# Altium PCB main_board.PcbDoc (part 2 of 2)
Units mm, origin at the board's own origin, x right, y up, seen from the top; angles counter-clockwise.
Board outline 102 x 125 mm, 2 copper layers (Top Layer, Bottom Layer), stack 1.58 mm thick; 105 components, 116 nets, 584 pads, 449 vias.
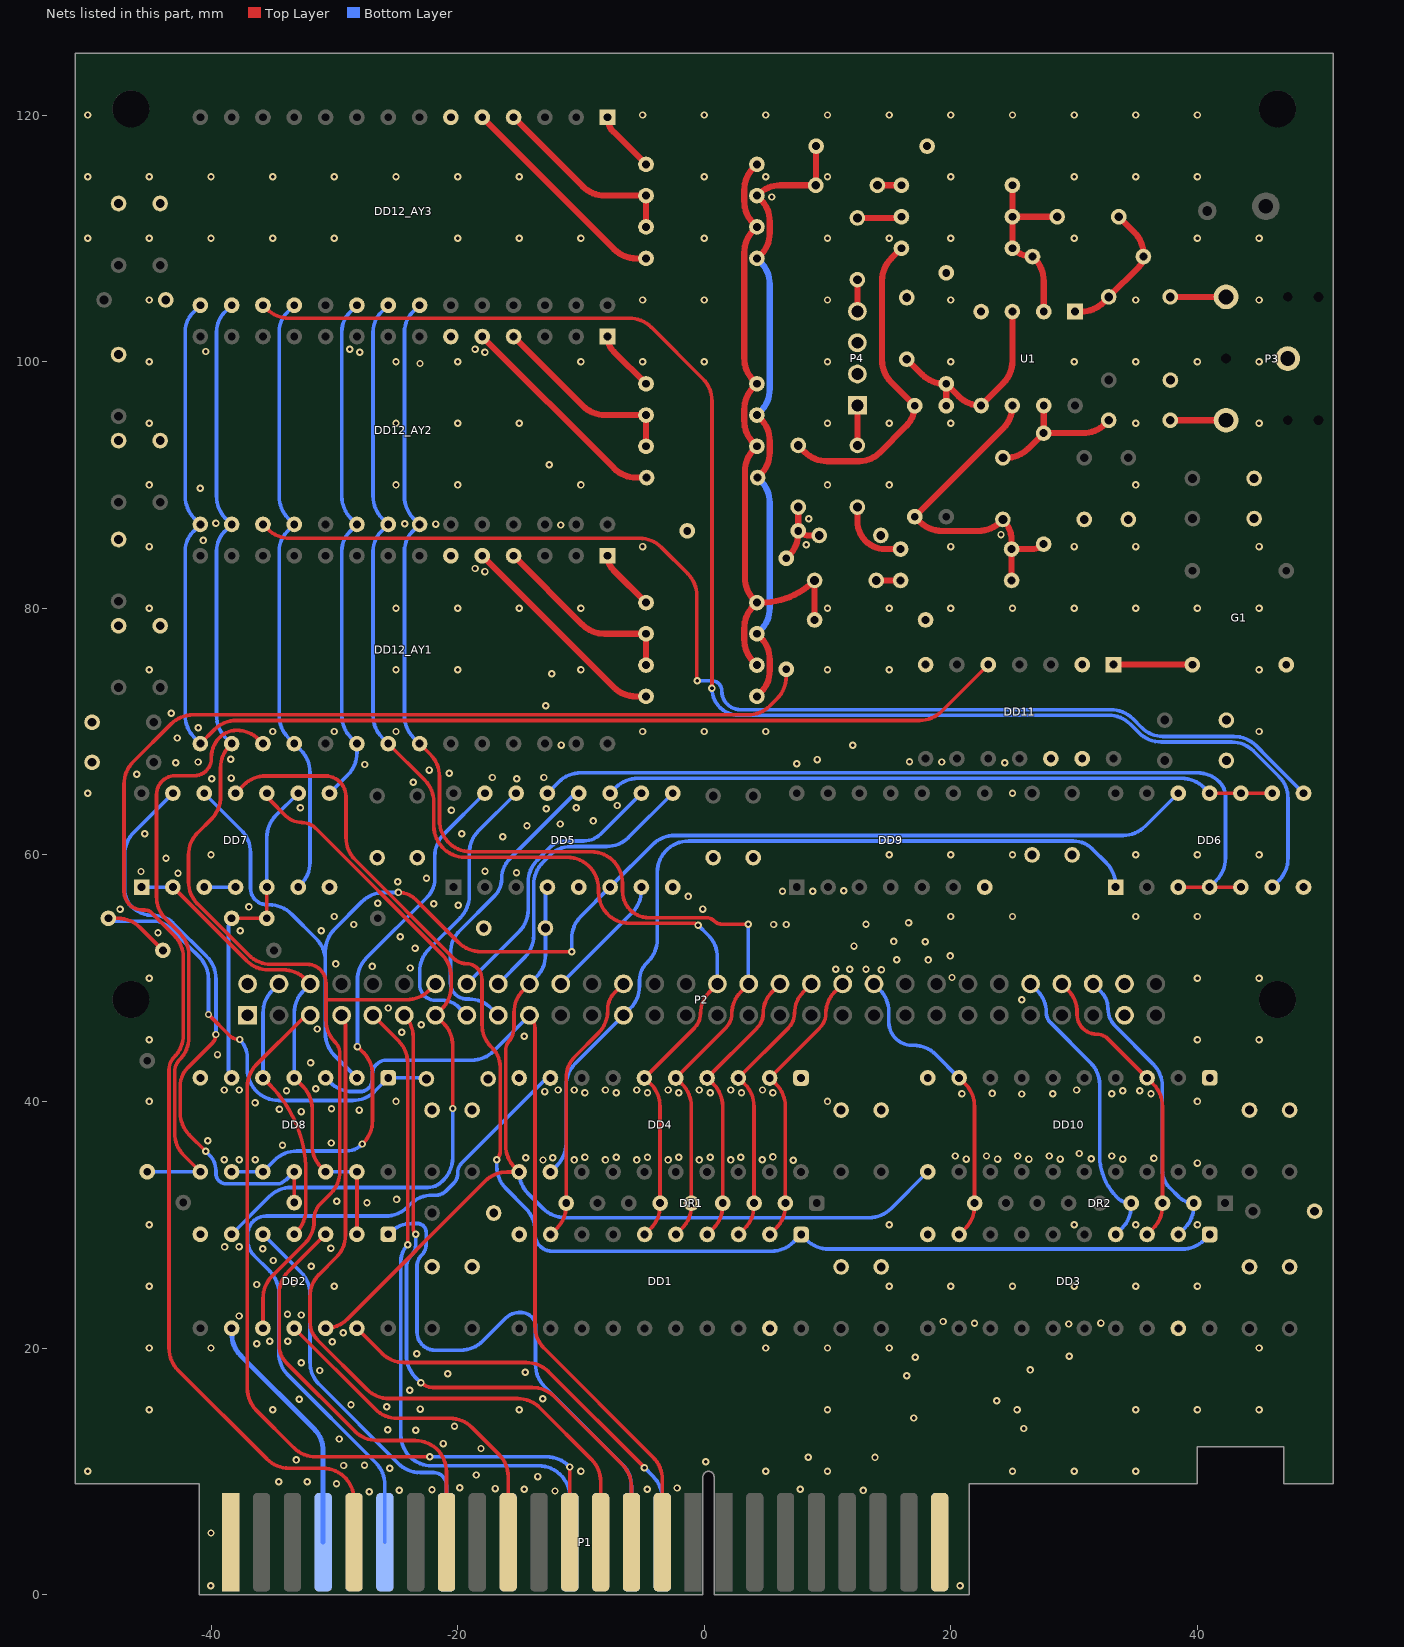
[diagram p2: the nets of this part, all layers, seen from the top]

## Via types
v1: diameter 0.6, hole 0.3, Top Layer to Bottom Layer, tented both sides, 446 vias
v2: diameter 1.2, hole 0.6, Top Layer to Bottom Layer, tented both sides, 3 vias

## Nets (pads, with @x,y where several pads share a name; then routed paths per layer and width w, separated by ;. In a path a pad name is that pad's centre, name@x,y a point inside that pad or via, vN(x,y) a via of type N, cw(c..) or ccw(c..) an arc to the next point about the centre after c; other vN are vias at no path point) (continued)
AD6: DD1.5 DD4.5 DD12_AY1.22 DD12_AY2.22 DD12_AY3.22 DR1.5 P2.34 | length 102.2
  Top Layer w0.3: DD12_AY1.22@-23.084,69.016 -22.219,68.151 cw(c-24.015,66.355) -21.475,66.355 -21.475,62.79 ccw(c-18.935,62.79) -18.935,60.25 -9.165,60.25 cw(c-9.165,57.71) -6.625,57.71 -6.625,57.04 ccw(c-4.485,57.04) -4.485,54.9 0.161,54.9 cw(c0.161,53.961) 0.825,54.625 ccw(c1.429,55.229) 1.429,54.375 v1(3.575,54.375) ; DD4.5@-2.31,41.9 1.754,45.964 ccw(c0.567,47.15) 2.245,47.15 cw(c4.695,47.15) 2.962,48.882 P2.34@3.61,49.53 ; DD1.5@-2.295,29.21 -1.789,29.716 ccw(c-3.585,31.512) -1.045,31.512 -1.045,39.608 ccw(c-3.585,39.608) -1.789,41.404 DD4.5@-2.295,41.91
  Bottom Layer w0.3: DD12_AY1.22@-23.084,69.016 -23.571,69.503 cw(c-21.775,71.299) -24.315,71.299 -24.315,84.625 cw(c-22.044,84.625) -23.65,86.23 DD12_AY2.22@-23.084,86.796 -23.571,87.283 cw(c-21.775,89.079) -24.315,89.079 -24.315,102.405 cw(c-22.044,102.405) -23.65,104.01 DD12_AY3.22@-23.084,104.576 ; v1(3.575,54.375) 3.575,49.615 ccw(c3.695,49.615) P2.34@3.61,49.53
AD7: DD1.6 DD4.6 DD12_AY1.21 DD12_AY2.21 DD12_AY3.21 DR1.6 P2.32 | length 100.1
  Top Layer w0.3: DD12_AY1.21@-25.624,69.016 -22.669,66.061 cw(c-24.465,64.265) -21.925,64.265 -21.925,62.34 ccw(c-19.385,62.34) -19.385,59.8 -11.115,59.8 cw(c-11.115,57.26) -8.575,57.26 -8.575,56.963 ccw(c-6.063,56.963) -6.063,54.45 -0.861,54.45 cw(c-0.861,53.938) -0.525,54.325 cw(c-0.861,53.938) -0.521,54.321 cw(c-0.861,53.938) v1(-0.499,54.3) ; DD4.6@-4.85,41.9 -0.786,45.964 ccw(c-1.973,47.15) -0.295,47.15 cw(c2.155,47.15) 0.422,48.882 P2.32@1.07,49.53 ; DD1.6@-4.835,29.21 -4.329,29.716 ccw(c-6.125,31.512) -3.585,31.512 -3.585,39.608 ccw(c-6.125,39.608) -4.329,41.404 DD4.6@-4.835,41.91
  Bottom Layer w0.3: DD12_AY1.21@-25.624,69.016 -26.111,69.503 cw(c-24.315,71.299) -26.855,71.299 -26.855,84.625 cw(c-24.584,84.625) -26.19,86.23 DD12_AY2.21@-25.624,86.796 -26.111,87.283 cw(c-24.315,89.079) -26.855,89.079 -26.855,102.405 cw(c-24.584,102.405) -26.19,104.01 DD12_AY3.21@-25.624,104.576 ; v1(-0.499,54.3) 0.326,53.475 cw(c-1.47,51.679) 1.07,51.679 P2.32@1.07,49.53
AD8: DD1.3 DD4.3 DR1.3 P2.38 | length 23.4
  Top Layer w0.3: DD4.3@2.77,41.9 6.834,45.964 ccw(c5.647,47.15) 7.325,47.15 cw(c9.775,47.15) 8.042,48.882 P2.38@8.69,49.53 ; DD1.3@2.785,29.21 3.291,29.716 ccw(c1.495,31.512) 4.035,31.512 4.035,39.608 ccw(c1.495,39.608) 3.291,41.404 DD4.3@2.785,41.91
AD9: DD1.4 DD4.4 DR1.4 P2.36 | length 23.4
  Top Layer w0.3: DD4.4@0.23,41.9 4.294,45.964 ccw(c3.107,47.15) 4.785,47.15 cw(c7.235,47.15) 5.502,48.882 P2.36@6.15,49.53 ; DD1.4@0.245,29.21 0.751,29.716 ccw(c-1.045,31.512) 1.495,31.512 1.495,39.608 ccw(c-1.045,39.608) 0.751,41.404 DD4.4@0.245,41.91
AD10: DD3.9 DD10.9 DR2.9 P2.42 | length 24.8
  Top Layer w0.3: DD3.9@20.675,29.21 21.181,29.716 ccw(c19.385,31.512) 21.925,31.512 21.925,39.608 ccw(c19.385,39.608) 21.181,41.404 DD10.9@20.675,41.91
  Bottom Layer w0.3: P2.42@13.77,49.53 14.231,49.069 cw(c12.435,47.273) 14.975,47.273 14.975,46.45 ccw(c16.875,46.45) 16.875,44.55 16.983,44.55 cw(c16.983,42.01) 18.779,43.806 DD10.9@20.675,41.91
AD11: DD1.2 DD4.2 DR1.2 P2.40 | length 23.4
  Top Layer w0.3: DD4.2@5.31,41.9 9.374,45.964 ccw(c8.187,47.15) 9.865,47.15 cw(c12.315,47.15) 10.582,48.882 P2.40@11.23,49.53 ; DD1.2@5.325,29.21 5.831,29.716 ccw(c4.035,31.512) 6.575,31.512 6.575,39.608 ccw(c4.035,39.608) 5.831,41.404 DD4.2@5.325,41.91
AD12: DD3.3 DD10.3 DR2.3 P2.54 | length 24.4
  Top Layer w0.3: P2.54@29.01,49.53 29.496,49.044 cw(c27.7,47.248) 30.24,47.248 30.24,47.05 ccw(c31.84,47.05) 31.84,45.45 cw(c31.84,44.159) 32.753,45.072 DD10.3@35.915,41.91 36.421,41.404 cw(c34.625,39.608) 37.165,39.608 37.165,31.512 cw(c34.625,31.512) 36.421,29.716 DD3.3@35.915,29.21
AD13: DD3.4 DR2.4 P2.52 | length 24
  Bottom Layer w0.3: P2.52@26.47,49.53 27.006,48.994 cw(c25.21,47.198) 27.75,47.198 ccw(c28.892,47.198) 28.084,46.391 31.331,43.144 cw(c29.535,41.348) 32.075,41.348 32.075,35.597 ccw(c36.836,35.597) 33.469,32.231 ccw(c34.63,33.392) DR2.4@34.63,31.75 34.63,31.517 cw(c32.09,31.517) 33.886,29.721 DD3.4@33.375,29.21
AD14: DD3.2 DR2.2 P2.56 | length 24.1
  Bottom Layer w0.3: P2.56@31.55,49.53 32.181,48.899 cw(c30.807,47.525) 32.75,47.525 ccw(c34.742,47.525) 33.333,46.117 36.406,43.044 cw(c34.61,41.248) 37.15,41.248 37.15,34.449 ccw(c39.199,34.449) 37.75,33 38.498,32.252 ccw(c39.71,33.464) DR2.2@39.71,31.75 39.71,31.517 cw(c37.17,31.517) 38.966,29.721 DD3.2@38.455,29.21
AD15: DD1.9 DR1.9 P2.26 | length 22.4
  Top Layer w0.3: DD1.9@-12.455,29.21 -11.944,29.721 ccw(c-13.74,31.517) -11.2,31.517 -11.2,41.873 cw(c-8.66,41.873) -10.456,43.669 -8.569,45.556 ccw(c-10.365,47.352) -7.825,47.352 -7.825,47.475 cw(c-5.942,47.475) -7.274,48.806 P2.26@-6.55,49.53
ADDR_DT: DD5.6 DD6.12 DD7.12 DD8.2 | length 109.1
  Top Layer w0.3: v1(-24.8,56.95) cw(c-24.8,54.958) -23.392,56.367 -22.638,55.612 -19.919,52.894 ccw(c-18.123,54.69) -18.123,52.15 v1(-10.75,52.15)
  Bottom Layer w0.3: DD7.12@-40.55,65 -37.544,61.994 cw(c-39.34,60.198) -36.8,60.198 -36.8,57.3 ccw(c-35.45,57.3) -35.45,55.95 -35.277,55.95 cw(c-35.277,53.41) -33.481,55.206 -31.469,53.194 cw(c-33.265,51.398) -30.725,51.398 ; DD8.2@-28.165,41.91 -29.981,43.726 cw(c-28.185,45.522) -30.725,45.522 -30.725,51.398 ; v1(-24.8,56.95) -25.948,56.95 ccw(c-25.948,54.41) -27.744,56.206 -29.981,53.969 ccw(c-28.185,52.173) -30.725,52.173 -30.725,51.398 ; v1(-10.75,52.15) -10.75,53.209 cw(c-8.21,53.209) -10.006,55.005 DD5.6@-7.631,57.38 -4.18,60.831 cw(c-2.384,59.035) -2.384,61.575 33.968,61.575 ccw(c33.968,64.115) 35.764,62.319 DD6.12@38.445,65
B\S\7\: DD4.12 DD6.1 P2.25 | length 68
  Bottom Layer w0.3: DD4.12@-12.47,34.28 -11.944,34.806 ccw(c-13.74,36.602) -11.2,36.602 -11.2,41.288 cw(c-8.66,41.288) -10.456,43.084 P2.25@-6.55,46.99 -5.994,47.546 ccw(c-7.79,49.342) -5.25,49.342 -5.25,49.8 cw(c-3.198,49.8) -4.649,51.251 -4.544,51.356 ccw(c-6.34,53.152) -3.8,53.152 -3.8,58.585 cw(c-1.26,58.585) -1.26,61.125 29.941,61.125 cw(c29.941,58.991) 31.45,60.5 32.621,59.329 cw(c30.825,57.532) 33.365,57.532 DD6.1@33.365,57.38
BC1: DD7.8 DD12_AY1.20 DD12_AY2.20 DD12_AY3.20 | length 42
  Bottom Layer w0.3: DD7.8@-30.39,65 -28.908,66.482 ccw(c-30.704,68.278) -28.164,68.278 DD12_AY1.20@-28.164,69.016 -28.651,69.503 cw(c-26.855,71.299) -29.395,71.299 -29.395,84.625 cw(c-27.124,84.625) -28.73,86.23 DD12_AY2.20@-28.164,86.796 -28.651,87.283 cw(c-26.855,89.079) -29.395,89.079 -29.395,102.405 cw(c-27.124,102.405) -28.73,104.01 DD12_AY3.20@-28.164,104.576
BDIR: DD7.6 DD12_AY1.18 DD12_AY2.18 DD12_AY3.18 | length 49.5
  Bottom Layer w0.3: DD12_AY3.18@-33.244,104.576 -33.81,104.01 ccw(c-32.204,102.405) -34.475,102.405 -34.475,89.079 ccw(c-31.935,89.079) -33.731,87.283 DD12_AY2.18@-33.244,86.796 -33.81,86.23 ccw(c-32.204,84.625) -34.475,84.625 -34.475,71.299 ccw(c-31.935,71.299) -33.731,69.503 DD12_AY1.18@-33.244,69.016 -32.719,68.491 cw(c-34.515,66.695) -31.975,66.695 -31.975,59.387 cw(c-34.515,59.387) -32.719,57.591 DD7.6@-32.93,57.38
Beeper: P1.B5 R15.2 | length 131.5
  Top Layer w0.3: P1.B5@-28.4,4.25 -28.4,7.71 ccw(c-30.94,7.71) -30.94,10.25 -33.673,10.25 cw(c-33.673,12.79) -35.469,10.994 -42.656,18.181 cw(c-40.86,19.977) -43.4,19.977 -43.4,42.601 cw(c-42.014,42.601) -42.994,43.581 ccw(c-44.79,45.377) -42.25,45.377 -42.25,51.687 ccw(c-44.79,51.687) -42.994,53.483 -44.797,55.286 ccw(c-45.375,54.708) -45.375,55.525 -45.55,55.525 cw(c-45.55,57.025) -47.047,56.935 cw(c-45.55,57.025) -47.05,57.025 -47.05,65.748 cw(c-44.51,65.748) -46.306,67.544 -43.244,70.606 cw(c-41.448,68.81) -41.448,71.35 3.548,71.35 ccw(c3.548,73.89) 5.344,72.094 5.906,72.656 ccw(c4.11,74.452) 6.65,74.452 R15.2@6.65,75.05
C\E\0: P1.B12 P2.5 | length 67.6
  Top Layer w0.3: P2.5@-31.95,46.99 ccw(c-31.95,46.121) -32.565,46.735 -36.306,42.994 ccw(c-34.51,41.198) -37.05,41.198 -37.05,16.727 ccw(c-34.51,16.727) -36.306,14.931 -33.294,11.919 ccw(c-31.498,13.715) -31.498,11.175 v1(-22.25,11.175) ; P1.B12@-10.9,4.25 v1(-10.9,10.35)
  Bottom Layer w0.3: v1(-22.25,11.175) -12.777,11.175 cw(c-12.777,8.635) -10.981,10.431 v1(-10.9,10.35)
C\E\1: P1.B14 P2.11 | length 56
  Top Layer w0.3: P2.11@-24.33,46.99 cw(c-26.092,45.228) -23.6,45.228 -23.6,29.708 ccw(c-22.917,29.708) -23.553,29.459 ccw(c-22.917,29.708) v1(-23.4,29.225) ; v1(-22.975,17.175) -22.925,17.175 ccw(c-22.02,18.08) -22.02,16.8 -13.952,16.8 cw(c-13.952,14.26) -12.156,16.056 -6.644,10.544 cw(c-8.44,8.748) -5.9,8.748 P1.B14@-5.9,4.25
  Bottom Layer w0.3: v1(-23.4,29.225) -23.4,28.38 cw(c-24.68,28.38) -23.775,27.475 ccw(c-22.87,26.57) -24.15,26.57 -24.15,19.402 ccw(c-21.61,19.402) -23.406,17.606 v1(-22.975,17.175)
C\E\2: P1.B13 P2.7 | length 60.5
  Top Layer w0.3: P2.7@-29.41,46.99 cw(c-30.158,46.242) -29.1,46.242 -29.1,29.152 cw(c-31.64,29.152) -29.844,27.356 -31.231,25.969 ccw(c-29.435,24.173) -31.975,24.173 -31.975,22.124 ccw(c-29.926,22.124) -31.375,20.675 -27.344,16.644 ccw(c-25.548,18.44) -25.548,15.9 -15.127,15.9 cw(c-15.127,13.36) -13.331,15.156 -9.144,10.969 cw(c-10.94,9.173) -8.4,9.173 P1.B13@-8.4,4.25
C\E\3: P1.A12 P2.9 | length 55.5
  Top Layer w0.3: P2.9@-26.87,46.99 -24.794,44.914 cw(c-26.59,43.118) -24.05,43.118 v1(-24.05,28.375)
  Bottom Layer w0.3: v1(-24.05,28.375) ccw(c-22.722,27.047) -24.6,27.047 -24.6,12.95 ccw(c-22.1,12.95) -23.849,11.164 ccw(c-22.1,12.95) -22.1,10.45 -13.44,10.45 cw(c-13.44,7.91) -10.9,7.91 P1.A12@-10.9,4.25
C\S\1: DD5.9 P2.18 | length 23.8
  Bottom Layer w0.3: P2.18@-16.71,49.53 -14.569,51.671 ccw(c-16.365,53.467) -13.825,53.467 -13.825,57.603 cw(c-11.285,57.603) -13.081,59.399 -12.288,60.192 cw(c-10.798,58.135) -10.798,60.675 -7.928,60.675 ccw(c-7.928,63.215) -6.132,61.419 DD5.9@-2.551,65
C\S\2: DD5.14 P2.15 | length 23.4
  Bottom Layer w0.3: P2.15@-19.25,46.99 -19.884,47.624 ccw(c-21.275,46.232) -21.275,48.2 -21.8,48.2 cw(c-21.8,49.475) -23.075,49.475 -23.075,50.548 cw(c-20.535,50.548) -22.331,52.344 -19.794,54.881 ccw(c-21.59,56.677) -19.05,56.677 -19.05,60.149 cw(c-16.51,60.149) -18.306,61.945 DD5.14@-15.251,65
C\S\3: DD5.10 P2.16 | length 22.7
  Bottom Layer w0.3: P2.16@-19.25,49.53 -15.019,53.761 ccw(c-16.815,55.557) -14.275,55.557 -14.275,57.789 cw(c-11.735,57.789) -13.531,59.585 -12.551,60.565 cw(c-11.2,59.215) -11.2,61.125 -9.775,61.125 ccw(c-9.775,63.078) -8.394,61.697 DD5.10@-5.091,65
C\S\4: DD5.12 P2.17 | length 24.6
  Bottom Layer w0.3: P2.17@-16.71,46.99 -17.276,47.556 ccw(c-19.072,45.76) -19.072,48.3 -19.199,48.3 cw(c-19.199,49.751) -20.225,48.725 cw(c-19.38,49.57) -20.575,49.57 -20.575,52.048 cw(c-18.035,52.048) -19.831,53.844 -17.008,56.667 ccw(c-18.417,58.075) -16.425,58.075 cw(c-14.131,58.075) -15.754,59.696 -10.647,64.803 cw(c-10.171,64.327) DD5.12@-10.171,65
C\S\5: DD5.7 P2.22 | length 10.4
  Bottom Layer w0.3: P2.22@-11.63,49.53 -5.835,55.325 ccw(c-7.631,57.121) -5.091,57.121 DD5.7@-5.091,57.38
C\S\_\A\Y\1: DD5.15 DD8.9 DD8.10 | length 44.4
  Top Layer w0.3: v1(-28.125,44.45) -27.644,43.969 cw(c-29.44,42.173) -26.9,42.173 -26.9,38.427 cw(c-29.44,38.427) -27.644,36.631 v1(-27.725,36.55)
  Bottom Layer w0.3: DD8.9@-38.325,34.29 DD8.10@-35.785,34.29 -34.844,35.231 cw(c-33.048,33.435) -33.048,35.975 -29.025,35.975 ccw(c-29.025,37.725) -27.787,36.488 v1(-27.725,36.55) ; v1(-28.125,44.45) -28.125,49.848 cw(c-25.585,49.848) -27.381,51.644 -22.47,56.555 ccw(c-23.962,58.05) -21.85,58.05 -21.85,59.889 cw(c-19.31,59.889) -21.106,61.685 DD5.15@-17.791,65
C\S\_\A\Y\2: DD5.11 DD6.9 DD6.10 DD6.11 | length 54.5
  Top Layer w0.3: DD6.11@40.985,65 DD6.10@43.525,65 DD6.9@46.065,65
  Bottom Layer w0.3: DD5.11@-7.631,65 -7.175,65.456 cw(c-5.379,63.66) -5.379,66.2 38.733,66.2 cw(c38.733,63.66) 40.529,65.456 DD6.11@40.985,65
C\S\_\A\Y\3: DD5.13 DD6.3 DD6.4 DD6.5 | length 69.4
  Top Layer w0.3: DD6.3@38.445,57.38 DD6.4@40.985,57.38 DD6.5@43.525,57.38
  Bottom Layer w0.3: DD5.13@-12.711,65 -11.805,65.906 cw(c-10.009,64.11) -10.009,66.65 39.998,66.65 cw(c39.998,64.11) 41.794,65.906 cw(c40.633,64.745) 42.275,64.745 42.275,59.722 cw(c39.735,59.722) 41.531,57.926 DD6.4@40.985,57.38
CLK_AY1: DD11.5 DD12_AY1.15 DD12_AY2.15 DD12_AY3.15 | length 103.5
  Top Layer w0.3: DD12_AY1.15@-40.864,69.016 -39.725,70.156 cw(c-37.929,68.36) -37.929,70.9 17.463,70.9 ccw(c17.463,73.44) 19.259,71.644 DD11.5@23.04,75.425
  Bottom Layer w0.3: DD12_AY1.15@-40.864,69.016 -41.351,69.503 cw(c-39.555,71.299) -42.095,71.299 -42.095,84.625 cw(c-39.824,84.625) -41.43,86.23 DD12_AY2.15@-40.864,86.796 -41.351,87.283 cw(c-39.555,89.079) -42.095,89.079 -42.095,102.405 cw(c-39.824,102.405) -41.43,104.01 DD12_AY3.15@-40.864,104.576
CS_AY1: DD8.8 DD12_AY1.17 R2.2 | length 48.9
  Top Layer w0.3: DD8.8@-40.865,34.29 -42.206,35.631 cw(c-40.41,37.427) -42.95,37.427 -42.95,42.402 cw(c-41.564,42.402) -42.544,43.382 ccw(c-44.34,45.178) -41.8,45.178 -41.8,51.873 ccw(c-44.34,51.873) -42.544,53.669 -43.2,54.325 -43.681,54.806 cw(c-41.885,56.602) -44.425,56.602 -44.425,64.875 cw(c-42.875,64.875) -42.875,66.425 -41.35,66.425 ccw(c-41.35,67.8) -39.975,67.8 -39.975,67.887 cw(c-37.651,67.887) -39.294,69.531 cw(c-37.92,68.157) -37.92,70.1 cw(c-37.92,67.56) -36.124,69.356 DD12_AY1.17@-35.784,69.016
  Bottom Layer w0.3: R2.2@-45.175,34.3 -40.889,34.3 cw(c-40.889,34.266) DD8.8@-40.865,34.29
CS_AY2: DD6.8 DD12_AY2.17 | length 97.8
  Top Layer w0.3: DD12_AY2.17@-35.784,86.796 -35.407,86.419 ccw(c-33.611,88.215) -33.611,85.675 -5.252,85.675 cw(c-5.252,83.135) -3.456,84.931 -1.344,82.819 cw(c-3.14,81.023) -0.6,81.023 -0.6,74.175 ccw(c-0.54,74.175) -0.582,74.132 v1(-0.575,74.125)
  Bottom Layer w0.3: v1(-0.575,74.125) 0.6,74.125 cw(c0.6,73.3) 1.425,73.3 1.425,73.288 ccw(c2.938,73.288) 2.938,71.775 32.973,71.775 cw(c32.973,69.235) 34.769,71.031 35.484,70.316 ; 35.485,70.315 ccw(c37.212,72.043) 37.212,69.6 42.953,69.6 cw(c42.953,67.06) 44.749,68.856 45.765,67.84 DD6.8@48.605,65
CS_AY3: DD6.6 DD12_AY3.17 | length 121.8
  Top Layer w0.3: DD12_AY3.17@-35.784,104.576 -35.477,104.269 ccw(c-33.681,106.065) -33.681,103.525 -6.077,103.525 cw(c-6.077,100.985) -4.281,102.781 -0.119,98.619 cw(c-1.915,96.823) 0.625,96.823 v1(0.625,73.5)
  Bottom Layer w0.3: v1(0.625,73.5) ccw(c2.8,73.5) 1.736,71.603 ccw(c2.8,73.5) 2.8,71.325 32.787,71.325 cw(c32.787,68.785) 34.583,70.581 35.27,69.894 ccw(c37.066,71.69) 37.066,69.15 42.767,69.15 cw(c42.767,66.61) 44.563,68.406 46.63,66.339 cw(c44.89,64.6) 47.35,64.6 47.35,59.717 cw(c44.81,59.717) 46.606,57.921 DD6.6@46.065,57.38
D\I\N\: DD2.2 DD7.1 DD7.2 DD8.4 DD8.12 DD8.13 P2.6 | length 40.8
  Top Layer w0.3: DD7.2@-43.09,57.38 -37.129,51.419 ccw(c-35.333,53.215) -35.333,50.675 -34.147,50.675 cw(c-34.147,48.135) -32.351,49.931 P2.6@-31.95,49.53 ; DD8.4@-33.245,41.91 -32.544,41.209 cw(c-34.34,39.413) -31.8,39.413 -31.8,36.437 ccw(c-29.26,36.437) -31.056,34.641 DD8.12@-30.705,34.29 ; DD2.2@-28.165,29.225 DD8.13@-28.165,34.29
  Bottom Layer w0.3: DD7.1@-45.63,57.38 DD7.2@-43.09,57.38 ; DD8.4@-33.245,41.91 -33.245,47.183 cw(c-30.705,47.183) -32.501,48.979 P2.6@-31.95,49.53 ; DD8.12@-30.705,34.29 DD8.13@-28.165,34.29
D\O\U\T\: DD2.4 DD8.5 P2.4 | length 22
  Top Layer w0.3: DD8.5@-35.785,41.91 -35.251,41.376 cw(c-42.352,34.275) -32.31,34.275 -32.31,31.212 cw(c-34.85,31.212) -33.054,29.416 DD2.4@-33.245,29.225
  Bottom Layer w0.3: DD8.5@-35.785,41.91 -35.785,47.183 cw(c-33.245,47.183) -35.041,48.979 P2.4@-34.49,49.53
DIN: DD7.13 DD8.11 R3.2 | length 48.1
  Top Layer w0.3: v1(-40.425,35.95) -41.756,37.281 cw(c-39.96,39.077) -42.5,39.077 -42.5,41.225 cw(c-40.327,41.225) -41.864,42.761 -39.883,44.742 ccw(c-40.566,45.425) v1(-39.6,45.425) ; R3.2@-33.25,31.8 -33.245,31.805 DD8.11@-33.245,34.29
  Bottom Layer w0.3: -46.619,55.963 -46.638,55.982 cw(c-46.597,56.023) -46.654,56.023 ; DD7.13@-43.09,65 -46.256,61.834 ccw(c-44.46,60.038) -47,60.038 -47,57.302 ccw(c-44.46,57.302) -46.654,56.023 ; v1(-40.425,35.95) -40.148,35.673 cw(c-41.471,34.35) -39.6,34.35 -39.6,34.15 ccw(c-38.769,34.15) -38.769,33.319 -34.425,33.319 ccw(c-35.512,35.615) -33.716,33.819 DD8.11@-33.245,34.29 ; v1(-39.6,45.425) -39.6,49.948 ccw(c-42.14,49.948) -40.344,51.744 -43.056,54.456 ccw(c-44.55,52.963) -44.55,55.075 -44.655,55.075 cw(c-44.655,57.615) -46.451,55.819 -46.654,56.023
DINOUT: DD7.5 DD7.9 DD8.6 R1.2 VD1.2 | length 27.3
  Top Layer w0.3: VD1.2@-38.575,54.85 VD1.2@-38.325,54.85 R1.2@-35.475,54.85 -35.475,57.375 DD7.5@-35.47,57.38
  Bottom Layer w0.3: DD8.6@-38.325,41.91 cw(c-37.722,42.513) -38.575,42.513 -38.575,54.246 cw(c-37.721,54.246) VD1.2@-38.325,54.85 ; DD7.5@-35.47,57.38 -35.47,61.408 cw(c-32.93,61.408) -34.726,63.204 DD7.9@-32.93,65
DLDIO: C13.2 DD8.1 R14.2 VD1.1 | length 41.8
  Top Layer w0.3: VD1.1@-48.575,54.85 -47.552,54.85 cw(c-47.552,52.31) -45.756,54.106 R14.2@-43.9,52.25 ; v1(-40.2,47.05) -38.477,45.327 ccw(c-37.748,46.056) v1@-37.748,45.025
  Bottom Layer w0.3: VD1.1@-48.575,54.85 ccw(c-48.029,55.397) -48.029,54.624 -44.483,54.624 cw(c-44.957,52.128) -43.161,53.924 -41.868,52.632 -40.944,51.708 cw(c-42.74,49.911) -40.2,49.911 v1(-40.2,47.05) ; v1(-37.675,45.025) cw(c-39.184,43.516) -37.05,43.516 -37.05,42.615 ccw(c-34.51,42.615) -34.51,40.075 -28.512,40.075 ccw(c-28.512,42.615) -26.716,40.819 DD8.1@-25.625,41.91 -22.73,41.91 cw(c-22.73,41.62) C13.2@-22.525,41.825
e4MHz: DD2.9 P1.A4 | length 20.2
  Bottom Layer w0.4: DD2.9@-38.325,21.605 -38.325,21.177 ccw(c-35.785,21.177) -37.581,19.381 -31.644,13.444 cw(c-33.44,11.648) -30.9,11.648 P1.A4@-30.9,4.25
eB\S\7\: DD4.9 P1.A6 | length 59.4
  Bottom Layer w0.3: P1.A6@-25.9,4.25 -25.9,8.898 ccw(c-28.44,8.898) -26.644,10.694 -33.756,17.806 cw(c-31.96,19.602) -34.5,19.602 -34.5,24.448 ccw(c-37.04,24.448) -35.244,26.244 -36.525,27.525 cw(c-35.318,28.732) -37.025,28.732 -37.025,29.207 cw(c-35.532,29.207) -35.532,30.7 -25.852,30.7 ccw(c-25.852,33.24) -24.056,31.444 -23.844,31.656 cw(c-22.048,29.86) -22.048,32.4 -21.75,32.4 ccw(c-21.75,33.547) -20.94,32.735 -20.325,33.35 ccw(c-21.11,34.135) -20,34.135 -20,34.175 cw(c-18.793,34.175) -19.647,35.028 ; -19.646,35.029 -12.991,41.684 cw(c-12.47,41.164) DD4.9@-12.47,41.9
eD\I\N\: DD2.1 P1.A14 | length 44.7
  Bottom Layer w0.3: DD2.1@-25.625,29.225 -25.494,29.356 cw(c-23.698,27.56) -23.698,30.1 -23.275,30.1 cw(c-23.275,29.375) -22.55,29.375 -22.55,28.43 cw(c-23.83,28.43) -22.925,27.525 ccw(c-22.02,26.62) -23.3,26.62 -23.3,21.3 ccw(c-21.825,21.3) -21.825,19.825 -19.752,19.825 ccw(c-19.752,22.365) -17.956,20.569 -16.092,22.433 cw(c-15.025,21.366) -15.025,22.875 -14.825,22.875 cw(c-14.825,21.725) -13.675,21.725 -13.675,18.652 ccw(c-11.135,18.652) -12.931,16.856 -6.644,10.569 cw(c-8.44,8.773) -5.9,8.773 P1.A14@-5.9,4.25
eD\O\U\T\: DD2.3 P1.B8 | length 34.7
  Top Layer w0.3: DD2.3@-30.705,29.225 -33.731,26.199 ccw(c-31.935,24.403) -34.475,24.403 -34.475,20.2 ccw(c-32.544,20.2) -33.909,18.834 -28.319,13.244 ccw(c-26.523,15.04) -26.523,12.5 -23.44,12.5 cw(c-23.44,9.96) -20.9,9.96 P1.B8@-20.9,4.25
eI\N\I\T\: DD2.11 P1.B10 | length 27.9
  Top Layer w0.3: DD2.11@-33.245,21.605 -26.684,15.044 ccw(c-24.888,16.84) -24.888,14.3 -20.627,14.3 cw(c-20.627,11.76) -18.831,13.556 -16.644,11.369 cw(c-18.44,9.573) -15.9,9.573 P1.B10@-15.9,4.25
eS\Y\N\C\: DD2.13 P1.A15 | length 34.3
  Top Layer w0.3: DD2.13@-28.165,21.605 -26.129,19.569 ccw(c-24.333,21.365) -24.333,18.825 -14.427,18.825 cw(c-14.427,16.285) -12.631,18.081 v1(-4.85,10.3)
  Bottom Layer w0.3: v1(-4.85,10.3) -4.144,9.594 cw(c-5.94,7.798) -3.4,7.798 P1.A15@-3.4,4.25
eW\T\B\T\: DD2.5 P1.A8 | length 32.2
  Bottom Layer w0.3: DD2.5@-35.785,29.225 -32.719,26.159 cw(c-34.515,24.363) -31.975,24.363 -31.975,18.852 ccw(c-29.435,18.852) -31.231,17.056 -24.819,10.644 ccw(c-23.023,12.44) -23.023,9.9 -21.958,9.9 cw(c-21.958,8.842) -20.9,8.842 P1.A8@-20.9,4.25
GND: C1.1 C2.1 C3.1 C4.1 C5.1 C6.1 C7.1 C8.1 C9.1 C10.1 C11.1 C12.1 C13.1 C14.1 C15.1 C16.1 C17.1 C18.1 C19.1 C20.1 C21.1 C22.1 C23.1 C24_AY1.1 C24_AY2.1 C24_AY3.1 C25_AY1.1 C25_AY2.1 C25_AY3.1 C26_AY1.1 C26_AY2.1 C26_AY3.1 C30.1 C32.1 C33.1 C34.1 C40.1 C41.1 C42.1 C43.1 C44.1 C45.1 DD1.10 DD1.19 DD2.7 DD3.10 DD3.19 DD4.1 DD4.10 DD5.5 DD5.8 DD6.7 DD7.7 DD8.7 DD9.7 DD10.1 DD10.10 DD11.2 DD11.7 DD11.12 DD11.13 DD12_AY1.6 DD12_AY2.6 DD12_AY3.6 G1.4 P1.B1 P1.B24 P2.1 P2.2 P2.57 P2.58 P3.1 P4.2 P4.3 R11.2 R17.2 R19.2 R23.2 U1.4
  other v1: -40.025,0.725 20.75,0.725 -40,5 -27.175,8.35 -12.1,8.4 12.9,8.45 -24.725,8.475 -22.075,8.5 -14.6,8.55 -4.625,8.55 7.8,8.55 -16.95,8.6 -2.2,8.65 -19.825,8.675 -29.825,9 -34.5,9.15 -32.2,9.15 -13.5,9.575 -18.5,9.7 -50,10 -10,10 5,10 10,10 25,10 30,10 35,10 -25.5,10.25 -29.25,10.475 -27.55,10.5 0.125,10.775 -33.075,10.925 13.85,11.125 8.45,11.15 -18.1,11.85 -21.175,12.25 -29.6,12.625 -23.4,13.325 -25.675,13.375 25.925,13.475 -20.25,13.65 17,14.325 -45,15 -35,15 -15,15 10,15 25.375,15 35,15 40,15 45,15 -23.025,15.05 -25.75,15.225 -28.65,15.4 23.725,15.725 -32.85,15.85 -13.1,15.875 -23.875,16.575 16.425,17.75 -20.8,17.925 -14.525,18.025 -31.175,18.175 26.45,18.225 -32.675,18.8 17.125,19.25 29.6,19.325 -23.325,19.525 -45,20 -40,20 5,20 10,20 15,20 45,20 -36.3,20.35 -30.175,20.5 -35.225,20.55 -33.775,20.55 -29.275,21.25 29.575,21.95 21.925,22 32.175,22.025 19.375,22.15 -37.725,22.6 -32.675,22.675 -33.8,22.75 -45,25 -30,25 15,25 20,25 25,25 30,25 35,25 40,25 -36.3,25.15 -33.275,25.275 -31.875,26.625 -34.95,27.1 -35.8,28.05 -30.275,28.1 -38.9,28.2 -37.725,28.225 -45,30 15,30 30,30 35,30 40,30 -27.35,31.775 -29.8,31.9 -24.95,32.05 40,35 7.225,35.225 -13.075,35.25 -10.55,35.255 -8.01,35.255 -5.47,35.255 -2.93,35.255 -0.39,35.255 2.15,35.255 -38.925,35.275 -37.7,35.275 -36.4,35.275 4.7,35.275 21.255,35.325 23.795,35.325 26.335,35.325 28.875,35.325 33.955,35.325 31.4,35.35 36.475,35.4 -14.475,35.425 -12.275,35.425 -9.675,35.48 -7.135,35.48 -4.595,35.48 -2.055,35.48 0.485,35.48 2.975,35.48 5.575,35.5 20.355,35.575 22.895,35.575 25.435,35.575 27.975,35.575 33.055,35.575 30.425,35.775 -34.2,36.45 -30.25,36.625 -40.275,36.8 -32.675,39.175 -27.975,39.3 -34.45,39.375 -30.225,39.4 -36.425,39.9 -45,40 -25,40 10,40 40,40 25.75,40.6 20.9,40.625 28.275,40.625 33.055,40.625 36.235,40.625 23.35,40.65 -9.675,40.7 -7.135,40.7 -4.595,40.7 -2.055,40.7 0.485,40.7 3.025,40.7 5.575,40.7 -12.925,40.8 -33.875,40.875 33.955,40.875 35.335,40.875 -38.925,40.925 -37.7,40.925 -11.85,40.925 -10.55,40.925 -8.01,40.925 -5.47,40.925 -2.93,40.925 -0.39,40.925 2.15,40.925 4.725,40.925 30.2,40.925 -31.5,41.025 -31.925,43.125 -39.475,43.8 -45,45 40,45 45,45 -14.6,45.275 -24.525,45.6 -31.375,45.875 -22.95,46.225 -25.625,47.575 25.75,48.25 -45,50 40,50 45,50 20.1,50.05 14.375,50.675 10.675,50.725 11.8,50.725 13.125,50.725 -23.85,50.825 -26.925,50.95 -29.875,51.15 18.175,51.475 15.625,51.5 19.95,51.8 -23.45,52.425 12.15,52.6 17.925,52.95 15.375,52.975 -24.65,53.35 -44.3,53.675 -37.625,53.85 -31.05,53.85 -28.425,54.35 5.625,54.35 6.65,54.35 13.125,54.375 16.575,54.5 -30,55 20,55 25,55 35,55 40,55 -47.375,55.575 -0.125,55.6 -36.925,55.775 -19.95,55.9 -21.925,56.025 -26.475,56.075 -1.3,56.625 6.35,57.05 8.8,57.05 11.325,57.075 -24.85,57.825 -22.525,58.1 -42.675,58.5 -15.225,58.55 -45.675,58.65 -17.775,58.675 -43.65,59.725 -40,60 15,60 20,60 25,60 35,60 40,60 45,60 -16.35,61.475 -45.375,61.7 -19.675,61.7 -14.375,62.35 -11.675,62.5 -9,62.75 -20.5,63.625 -12.8,63.725 -32.75,63.825 -10.375,63.825 -7.05,64 -50,65 25,65 -23.6,65.875 -39.95,66.175 -15.2,66.175 -38.35,66.225 -17.175,66.275 -13,66.275 -46.025,66.525 -20.675,66.625 -22.3,66.875 -27.525,67.325 7.5,67.375 -42.85,67.475 24.375,67.475 -41.05,67.525 19.275,67.525 16.65,67.55 9.175,67.725 -38.4,67.75 12.05,68.875 -11.6,68.9 -42.75,69.475 -35,70 -30,70 -25,70 -5,70 0,70 5,70 45,70 -41.025,70.3 -43.225,71.475 -12.85,72.1 -12.375,74.675 -45,75 -25,75 -20,75 -10,75 10,75 15,75 45,75 -45,80 -25,80 -20,80 -15,80 -10,80 10,80 15,80 20,80 25,80 30,80 35,80 40,80 45,80 -17.784,82.971 -18.584,83.221 -45,85 -5,85 20,85 30,85 35,85 45,85 8.275,85.15 -40.625,85.5 24.075,85.975 -11.625,86.75 -21.775,86.825 -24.275,86.85 -39.6,86.9 8.475,87.25 -40.875,89.725 -45,90 -25,90 -20,90 -10,90 10,90 15,90 35,90 -12.575,91.625 -45,95 -25,95 -20,95 -15,95 10,95 15,95 20,95 35,95 45,95 -23.05,99.85 -45,100 -25,100 -20,100 -10,100 -5,100 0,100 10,100 20,100 30,100 35,100 40,100 45,100 -27.944,100.751 -17.784,100.751 -40.425,100.825 -28.744,101.001 -18.584,101.001 -45,105 -5,105 0,105 10,105 20,105 35,105 45,105 -50,110 -45,110 -40,110 -35,110 -30,110 -20,110 -15,110 -10,110 0,110 10,110 15,110 20,110 30,110 40,110 45,110 5.475,113.35 -50,115 -45,115 -40,115 -35,115 -30,115 -25,115 -20,115 -15,115 0,115 5,115 10,115 20,115 30,115 35,115 40,115 -50,120 -5,120 0,120 5,120 10,120 15,120 20,120 25,120 30,120 35,120 40,120
I\N\I\T\: DD2.10 DD12_AY1.16 DD12_AY2.16 DD12_AY3.16 P2.14 | length 104.5
  Top Layer w0.3: DD12_AY1.16@-38.324,69.016 -38.481,68.86 ccw(c-36.685,67.064) -39.225,67.064 -39.225,64.702 cw(c-41.765,64.702) -39.969,62.906 -41.081,61.794 ccw(c-39.285,59.998) -41.825,59.998 -41.825,57.803 ccw(c-39.285,57.803) -41.081,56.007 -36.943,51.869 ccw(c-35.147,53.665) -35.147,51.125 -32.207,51.125 cw(c-32.207,49.593) -30.675,49.593 -30.675,48.25 ; DD2.10@-35.785,21.605 -35.785,24.038 cw(c-33.245,24.038) -35.041,25.834 -32.384,28.491 ccw(c-34.18,30.287) -31.64,30.287 -31.64,30.45 cw(c-29.866,30.45) -31.12,31.705 -30.294,32.531 ccw(c-32.09,34.327) -29.55,34.327 -29.55,43.859 ccw(c-30.916,43.859) -29.95,44.825 cw(c-28.2,46.575) -30.675,46.575 -30.675,48.25 ; P2.14@-21.79,49.53 -22.326,48.994 cw(c-24.122,50.79) -24.122,48.25 -30.675,48.25
  Bottom Layer w0.3: DD12_AY1.16@-38.324,69.016 -38.811,69.503 cw(c-37.015,71.299) -39.555,71.299 -39.555,84.625 cw(c-37.284,84.625) -38.89,86.23 DD12_AY2.16@-38.324,86.796 -38.811,87.283 cw(c-37.015,89.079) -39.555,89.079 -39.555,102.405 cw(c-37.284,102.405) -38.89,104.01 DD12_AY3.16@-38.324,104.576
L_IN3: C28.1 R4_AY1.1 R4_AY2.1 R4_AY3.1 R5_AY1.1 R5_AY2.1 R5_AY3.1 R11.1 | length 52
  Top Layer w0.5: R4_AY1.1@4.28,72.85 4.571,73.141 ccw(c2.775,74.937) 5.315,74.937 5.315,75.838 ccw(c2.775,75.838) 4.571,77.634 R5_AY1.1@4.28,77.925 ; R5_AY2.1@4.28,95.67 4.571,95.379 cw(c2.775,93.583) 5.315,93.583 5.315,92.637 cw(c2.775,92.637) 4.571,90.841 R4_AY2.1@4.33,90.6 ; R4_AY3.1@4.31,108.375 4.571,108.636 ccw(c2.775,110.432) 5.315,110.432 5.315,111.378 ccw(c2.775,111.378) 4.571,113.174 R5_AY3.1@4.28,113.465 4.371,113.556 cw(c6.167,111.76) 6.167,114.3 9.075,114.3 R11.1@9.075,117.475
  Bottom Layer w0.5: R5_AY1.1@4.28,77.925 4.571,78.216 ccw(c2.775,80.012) 5.315,80.012 5.315,88.563 ccw(c2.775,88.563) 4.571,90.359 R4_AY2.1@4.33,90.6 ; R5_AY2.1@4.28,95.67 4.571,95.961 ccw(c2.775,97.757) 5.315,97.757 5.315,106.288 ccw(c2.775,106.288) 4.571,108.084 R4_AY3.1@4.28,108.375
NetC17_2: C17.2 C31.1 R15.1 R19.1 | length 6.2
  Top Layer w0.5: R15.1@6.65,84.05 6.881,84.281 ccw(c5.085,86.077) 7.625,86.077 R19.1@7.625,86.275 ; C31.1@7.625,88.203 R19.1@7.625,86.275 ; C17.2@9.325,85.9 8.53,85.9 cw(c8.53,87.18) R19.1@7.625,86.275
NetC27_1: C27.1 C38.1 R10.1 U1.1 | length 11.5
  Top Layer w0.5: U1.1@30.075,104.06 30.583,104.06 ccw(c30.583,106.6) 32.379,104.804 32.825,105.25 35.289,107.714 ccw(c34.478,108.525) R10.1@35.625,108.525 35.625,108.698 ccw(c33.085,108.698) 34.881,110.494 C38.1@33.625,111.75
NetC27_2: C27.2 P3.3 | length 4.5
  Top Layer w0.5: C27.2@37.804,105.25 P3.3@42.325,105.25
NetC28_2: C28.2 R8.2 | length 1.9
  Top Layer w0.5: C28.2@14.053,114.3 R8.2@16,114.3
NetC29_1: C29.1 P4.4 | length 2.6
  Top Layer w0.5: P4.4@12.425,104.06 C29.1@12.425,106.675
NetC29_2: C29.2 R12.2 | length 3.6
  Top Layer w0.5: C29.2@12.425,111.653 15.767,111.653 ccw(c15.767,111.983) R12.2@16,111.75
NetC31_2: C31.2 R9.2 R20.2 | length 26.4
  Top Layer w0.5: C31.2@7.625,93.203 8.159,92.669 ccw(c9.956,94.465) 9.956,91.925 12.6,91.925 ccw(c12.6,94.158) 14.179,92.579 16.403,94.803 ccw(c14.781,96.425) R20.2@17.075,96.425 15.169,98.331 cw(c16.965,100.127) 14.425,100.127 14.425,106.573 cw(c16.965,106.573) 15.169,108.369 R9.2@16,109.2
NetC32_2: C32.2 R13.2 R17.1 U1.3 U1.5 | length 17.7
  Top Layer w0.5: C32.2@16.425,100.211 17.692,98.944 ccw(c19.488,100.74) R17.1@19.488,98.2 ; R13.2@19.625,96.425 19.625,97.869 ccw(c19.157,97.869) R17.1@19.488,98.2 ; U1.3@24.995,104.06 24.995,100.05 cw(c22.455,100.05) 24.251,98.254 22.437,96.44 cw(c22.437,98.98) 20.641,97.184 R17.1@19.625,98.2 R17.1@19.488,98.2
NetC35_1: C35.1 P4.1 | length 3.2
  Top Layer w0.5: C35.1@12.425,93.203 P4.1@12.425,96.44
NetC35_2: C35.2 R18.2 | length 6
  Top Layer w0.5: C35.2@12.425,88.225 12.425,87.058 ccw(c14.683,87.058) 14.683,84.8 R18.2@15.925,84.8
NetC36_1: C36.1 C39.1 R22.1 U1.7 | length 11.9
  Top Layer w0.5: C39.1@24.225,92.2 24.473,92.2 ccw(c24.473,94.74) 26.269,92.944 R22.1@27.525,94.2 ; U1.7@27.535,96.44 27.535,94.225 cw(c27.5,94.225) R22.1@27.525,94.2 ; C36.1@32.825,95.25 32.519,94.944 cw(c30.723,96.74) 30.723,94.2 R22.1@27.525,94.2
NetC36_2: C36.2 P3.2 | length 4.5
  Top Layer w0.5: C36.2@37.804,95.25 P3.2@42.325,95.25
NetC37_2: C37.2 R21.2 | length 2
  Top Layer w0.5: C37.2@13.928,82.25 R21.2@15.925,82.25
NetC38_2: C38.2 R8.1 R9.1 R10.2 R12.1 U1.2 | length 15.3
  Top Layer w0.5: R8.1@25,114.3 R12.1@25,111.75 ; U1.2@27.535,104.06 27.535,106.563 ccw(c24.995,106.563) 26.791,108.359 R10.2@26.625,108.525 cw(c26.625,110.818) 25.003,109.197 R9.1@25,109.2 R12.1@25,111.75 ; C38.2@28.625,111.75 R12.1@25,111.75
NetC39_2: C39.2 R18.1 R20.1 R21.1 R22.2 U1.6 | length 27.8
  Top Layer w0.5: R21.1@24.925,82.25 R18.1@24.925,84.8 ; U1.6@24.995,96.44 24.995,96.397 cw(c22.455,96.397) 24.251,94.601 R20.1@17.075,87.425 17.481,87.019 ccw(c19.277,88.815) 19.277,86.275 22.248,86.275 ccw(c22.248,88.815) 24.044,87.019 C39.2@24.225,87.2 cw(c22.535,85.51) 24.925,85.51 R18.1@24.925,84.8 ; R22.2@27.525,85.2 cw(c26.559,86.166) 26.559,84.8 R18.1@24.925,84.8
NetDD7_3: DD7.3 DD7.4 | length 2.5
  Bottom Layer w0.3: DD7.3@-40.55,57.38 DD7.4@-38.01,57.38
NetDD11_1: DD11.1 G1.5 | length 6.4
  Top Layer w0.5: DD11.1@33.2,75.425 39.566,75.425 cw(c39.566,75.391) G1.5@39.59,75.415
NetDD12_AY1_1: DD12_AY1.1 R7_AY1.2 | length 5
  Top Layer w0.5: DD12_AY1.1@-7.844,84.256 ccw(c-6.21,84.256) -7.365,83.1 R7_AY1.2@-4.72,80.455
NetDD12_AY1_4: DD12_AY1.4 R5_AY1.2 R6_AY1.2 | length 15.8
  Top Layer w0.5: DD12_AY1.4@-15.464,84.256 -9.877,78.669 ccw(c-8.081,80.465) -8.081,77.925 R5_AY1.2@-4.72,77.925 R6_AY1.2@-4.72,75.385
NetDD12_AY1_5: DD12_AY1.5 R4_AY1.2 | length 17.9
  Top Layer w0.5: DD12_AY1.5@-18.004,84.256 -7.342,73.594 ccw(c-5.546,75.39) -5.546,72.85 R4_AY1.2@-4.72,72.85
NetDD12_AY2_1: DD12_AY2.1 R7_AY2.2 | length 5.1
  Top Layer w0.5: DD12_AY2.1@-7.844,102.036 ccw(c-6.125,102.036) -7.341,100.821 R7_AY2.2@-4.72,98.2
NetDD12_AY2_4: DD12_AY2.4 R5_AY2.2 R6_AY2.2 | length 15.8
  Top Layer w0.5: DD12_AY2.4@-15.464,102.036 -9.842,96.414 ccw(c-8.046,98.21) -8.046,95.67 R5_AY2.2@-4.72,95.67 R6_AY2.2@-4.72,93.13
NetDD12_AY2_5: DD12_AY2.5 R4_AY2.2 | length 18
  Top Layer w0.5: DD12_AY2.5@-18.004,102.036 -7.312,91.344 ccw(c-5.516,93.14) -5.516,90.6 R4_AY2.2@-4.67,90.6
NetDD12_AY3_1: DD12_AY3.1 R7_AY3.2 | length 5
  Top Layer w0.5: DD12_AY3.1@-7.844,119.816 ccw(c-6.161,119.816) -7.351,118.626 R7_AY3.2@-4.72,115.995
NetDD12_AY3_4: DD12_AY3.4 R5_AY3.2 R6_AY3.2 | length 15.8
  Top Layer w0.5: DD12_AY3.4@-15.464,119.816 -9.857,114.209 ccw(c-8.061,116.005) -8.061,113.465 R5_AY3.2@-4.72,113.465 R6_AY3.2@-4.72,110.925
NetDD12_AY3_5: DD12_AY3.5 R4_AY3.2 | length 17.9
  Top Layer w0.5: DD12_AY3.5@-18.004,119.816 -7.307,109.119 ccw(c-5.511,110.915) -5.511,108.375 R4_AY3.2@-4.72,108.375
R\P\L\Y\: DD8.3 P1.B15 P2.19 | length 66.8
  Top Layer w0.3: P2.19@-14.17,46.99 cw(c-15.244,45.916) -13.725,45.916 -13.725,21.777 ccw(c-11.185,21.777) -12.981,19.981 -4.144,11.144 cw(c-5.94,9.348) -3.4,9.348 P1.B15@-3.4,4.25
  Bottom Layer w0.3: DD8.3@-30.705,41.91 -30.339,41.544 ccw(c-28.543,43.34) -28.543,40.8 -27.9,40.8 ccw(c-27.9,41.775) -26.925,41.775 -26.925,42.175 cw(c-25.75,42.175) -25.75,43.35 -18.862,43.35 ccw(c-18.862,45.89) -17.066,44.094 P2.19@-14.17,46.99
R_IN3: C37.1 R6_AY1.1 R6_AY2.1 R6_AY3.1 R7_AY1.1 R7_AY2.1 R7_AY3.1 R23.1 | length 52.1
  Top Layer w0.5: R6_AY1.1@4.28,75.385 3.989,75.676 cw(c5.785,77.472) 3.245,77.472 3.245,78.368 cw(c5.785,78.368) 3.989,80.164 R7_AY1.1@4.28,80.455 ; R7_AY3.1@4.28,115.995 3.989,115.704 ccw(c5.785,113.908) 3.245,113.908 3.245,113.012 ccw(c5.785,113.012) 3.989,111.216 R6_AY3.1@4.28,110.925 3.989,110.634 ccw(c5.785,108.838) 3.245,108.838 3.245,100.287 ccw(c5.785,100.287) 3.989,98.491 R7_AY2.1@4.28,98.2 3.989,97.909 ccw(c5.785,96.113) 3.245,96.113 3.245,95.217 ccw(c5.785,95.217) 3.989,93.421 R6_AY2.1@4.28,93.13 4.039,92.889 ccw(c5.835,91.093) 3.295,91.093 3.295,82.492 ccw(c5.835,82.492) 4.039,80.696 R7_AY1.1@4.28,80.455 ; R23.1@8.95,79.05 C37.1@8.95,82.25 cw(c4.617,86.583) 4.617,80.455 R7_AY1.1@4.28,80.455
S\Y\N\C\: C14.2 DD2.12 DD4.11 DD5.4 DD10.11 P2.20 | length 83.6
  Top Layer w0.3: P2.20@-14.17,49.53 -14.681,49.019 ccw(c-12.885,47.223) -15.425,47.223 -15.425,46.063 cw(c-17.388,46.063) -15.737,45.001 -15.737,44.995 -15.749,44.983 ccw(c-14.902,44.135) -15.933,44.745 ccw(c-14.902,44.135) -16.1,44.135 -16.1,36.422 ccw(c-13.56,36.422) -15.356,34.626 DD4.11@-15.01,34.28 -15.968,34.28 ccw(c-15.968,31.74) -17.764,33.536 -28.981,22.319 ; -28.981,22.319 cw(c-30.705,24.043) DD2.12@-30.705,21.605 ccw(c-30.705,24.043) -28.981,22.319
  Bottom Layer w0.3: DD4.11@-15.01,34.28 ccw(c-12.548,34.28) -14.289,32.539 -13.069,31.319 ccw(c-11.273,33.115) -11.273,30.575 13.368,30.575 ccw(c13.368,33.115) 15.164,31.319 DD10.11@18.135,34.29 ; P2.20@-14.17,49.53 -13.619,50.081 ccw(c-15.415,51.877) -12.875,51.877 C14.2@-12.875,54.06 -12.875,56.985 cw(c-12.316,56.985) DD5.4@-12.711,57.38
T/R\: DD1.1 DD3.1 DD7.11 | length 109.1
  Top Layer w0.3: DD7.11@-38.01,65 -37.354,65.656 cw(c-35.558,63.86) -35.558,66.4 -30.725,66.4 cw(c-30.725,64.725) -29.05,64.725 -29.05,61.388 ccw(c-26.51,61.388) -28.306,59.592 -20.305,51.591 ccw(c-19.3,52.596) -19.3,51.175 cw(c-19.3,49.9) -18.025,49.9 -18.025,46.227 ccw(c-15.485,46.227) -17.281,44.431 -17.2,44.35 cw(c-18.769,42.781) -16.55,42.781 -16.55,35.939 cw(c-17.489,35.939) v1(-16.825,35.275)
  Bottom Layer w0.3: v1(-16.825,35.275) -16.825,34.727 ccw(c-14.285,34.727) -16.081,32.931 -14.469,31.319 cw(c-16.265,29.523) -13.725,29.523 -13.725,29.25 ccw(c-12.325,29.25) -12.325,27.85 5.453,27.85 ccw(c5.453,30.39) 7.249,28.594 DD1.1@7.865,29.21 8.306,28.769 ccw(c10.102,30.565) 10.102,28.025 38.758,28.025 ccw(c38.758,30.565) 40.554,28.769 DD3.1@40.995,29.21
W\T\B\T\: DD2.6 DD7.10 P2.13 | length 58
  Top Layer w0.3: DD7.10@-35.47,65 ccw(c-34.734,65) DD7.10@-35.255,64.48 ; DD7.10@-35.255,64.48 -33.93,63.155 ccw(c-32.65,64.436) -32.65,62.625 cw(c-32.65,60.995) -31.498,62.148 -21.269,51.919 cw(c-23.065,50.123) -20.525,50.123 -20.525,49.307 cw(c-23.065,49.307) -21.269,47.511 P2.13@-21.79,46.99 -21.144,46.344 cw(c-22.94,44.548) -20.4,44.548 v1(-20.4,39.425)
  Bottom Layer w0.3: DD2.6@-38.325,29.225 -35.269,32.281 cw(c-33.473,30.485) -33.473,33.025 -22.422,33.025 ccw(c-22.422,34.647) -21.275,33.5 -21.144,33.631 ccw(c-22.94,35.427) -20.4,35.427 v1(-20.4,39.425)
pads on no net: DD9.9 DD9.10 DD9.13 DD10.2 DD10.4 DD10.17 DD10.19 DD11.3 DD11.6 DD11.8 DD11.9 DD11.10 DD11.11 DD12_AY1.2 DD12_AY1.7 DD12_AY1.8 DD12_AY1.9 DD12_AY1.10 DD12_AY1.11 DD12_AY1.12 DD12_AY1.13 DD12_AY1.14 DD12_AY2.2 DD12_AY2.7 DD12_AY2.8 DD12_AY2.9 DD12_AY2.10 DD12_AY2.11 DD12_AY2.12 DD12_AY2.13 DD12_AY2.14 DD12_AY3.2 DD12_AY3.7 DD12_AY3.8 DD12_AY3.9 DD12_AY3.10 DD12_AY3.11 DD12_AY3.12 DD12_AY3.13 DD12_AY3.14 G1.1 P1.A3 P1.A5 P1.A7 P1.A9 P1.A10 P1.A11 P1.A13 P1.A23 P1.B2 P1.B3 P1.B4 P1.B6 P1.B7 P1.B9 P1.B11 P2.8 P2.10 P2.12 P2.21 P2.23 P2.24 P2.51 P3. P3.0 zloiMOZG_Logo.0

## Polygon pours and split planes (outlines as drawn)
GND on Top Layer "Top Layer-GND" (solid, remove dead copper, pour order 0): -40.95,0 -0.1,0 -0.1,9.552 cw(c0.35,9.55) 0.8,9.55 0.8,0 21.5,0 21.5,9 40,9 40,12 47,12 47,9 51,9 51,125 -51,125 -51,9 -40.95,9
GND on Bottom Layer "Bottom Layer-GND" (solid, remove dead copper, pour order 2): -40.95,0 -0.1,0 -0.1,9.552 cw(c0.35,9.55) 0.8,9.55 0.8,0 21.5,0 21.5,9 40,9 40,12 47,12 47,9 51,9 51,125 -51,125 -51,9 -40.95,9

## Silkscreen, mask and mechanical layers (free items; w line width, h text height)
Top Overlay:
  drawing of 12 lines, arcs and shapes, not listed
  text "aberrant sound module" at -39.825,121.725 h1.52
  text "Left" at 7.675,103.55 h1
  text "GND" at 8.125,100.95 h1
  text "GND" at 8.125,98.525 h1
  text "Right" at 6.7,95.95 h1
Bottom Overlay:
  circle w0.254: c-46.5,48.26 r3.8
  circle w0.254: c-46.5,120.5 r3.8
  circle w0.254: c46.5,120.5 r3.8
  circle w0.254: c46.5,48.26 r3.8
  lines w0.2: -33.65,51.125 -33.635,54.775 ; -31.1,42.7 -31.1,45.38 ; -31.1,51.125 -31.1,53.625 ; -28.625,42.7 -28.625,45.375 ; -26.05,42.7 -26.05,45.38 ; -23.485,42.7 -23.485,45.025 ; -20.95,54.45 -20.935,51.15 ; -20.945,42.7 -20.945,46.375 ; -18.4,42.7 -18.4,45.425 ; -18.395,51.125 -18.395,53.275 ; -15.855,51.125 -15.855,53.45 ; -13.325,42.7 -13.325,46.35 ; -10.775,51.125 -10.775,53.8 ; -5.7,42.7 -5.7,45.375
  lines w0.24: -15.7,42.7 -15.7,45.275
  lines w0.254: -13.315,51.075 -13.315,53.275
  text "GND" at -37.475,51.13 h1 r270
  text "DOUT" at -34.935,51.13 h1 r270
  text "DIN" at -32.395,51.13 h1 r270
  text "INIT" at -22.235,51.13 h1 r270
  text "CS3" at -19.695,51.13 h1 r270
  text "CS1" at -17.155,51.13 h1 r270
  text "SYNC" at -14.615,51.13 h1 r270
  text "CS5" at -12.075,51.13 h1 r270
  text "AD15" at -6.995,51.13 h1 r270
  text "AD5" at -4.455,51.13 h1 r270
  text "AD4" at -1.92,51.135 h1 r270
  text "AD7" at 0.625,51.13 h1 r270
  text "AD6" at 3.165,51.13 h1 r270
  text "AD9" at 5.705,51.13 h1 r270
  text "AD8" at 8.245,51.13 h1 r270
  text "AD11" at 10.785,51.13 h1 r270
  text "AD10" at 13.325,51.13 h1 r270
  text "AD3" at 15.865,51.13 h1 r270
  text "AD2" at 18.405,51.13 h1 r270
  text "AD1" at 20.945,51.13 h1 r270
  text "AD0" at 23.485,51.13 h1 r270
  text "AD13" at 26.025,51.13 h1 r270
  text "AD12" at 28.565,51.13 h1 r270
  text "AD14" at 31.105,51.13 h1 r270
  text "GND" at 33.645,51.13 h1 r270
  text "+5V" at 36.185,51.13 h1 r270
  text "A5" at -4.465,43.7 h1 r270
  text "A4" at -1.925,43.7 h1 r270
  text "A7" at 0.615,43.7 h1 r270
  text "A6" at 3.155,43.7 h1 r270
  text "A9" at 5.695,43.7 h1 r270
  text "A8" at 8.235,43.7 h1 r270
  text "A3" at 15.855,43.7 h1 r270
  text "A2" at 18.395,43.7 h1 r270
  text "A1" at 20.935,43.7 h1 r270
  text "A0" at 23.475,43.7 h1 r270
  text "GND" at -37.485,42.7 h1 r270
  text "4MHz" at -34.98,42.7 h1 r270
  text "CE0" at -32.405,42.7 h1 r270
  text "CE2" at -29.865,42.7 h1 r270
  text "CE3" at -27.325,42.7 h1 r270
  text "CE1" at -24.785,42.7 h1 r270
  text "WTBT" at -22.245,42.7 h1 r270
  text "CS2" at -19.705,42.7 h1 r270
  text "CS4" at -17.165,42.7 h1 r270
  text "RPLY" at -14.625,42.7 h1 r270
  text "BS7" at -7.005,42.7 h1 r270
  text "A11" at 10.775,42.7 h1 r270
  text "A10" at 13.315,42.7 h1 r270
  text "A12" at 28.555,42.7 h1 r270
  text "3.58" at 31.1,42.7 h1 r270
  text "GND" at 33.635,42.7 h1 r270
  text "+5V" at 36.175,42.7 h1 r270
PCB_Contour:
  the board outline again, w0.1